# KiCad board panel.kicad_pcb
title: Com. module; date: 2023-12-25; rev: 1.0; company: Aightech
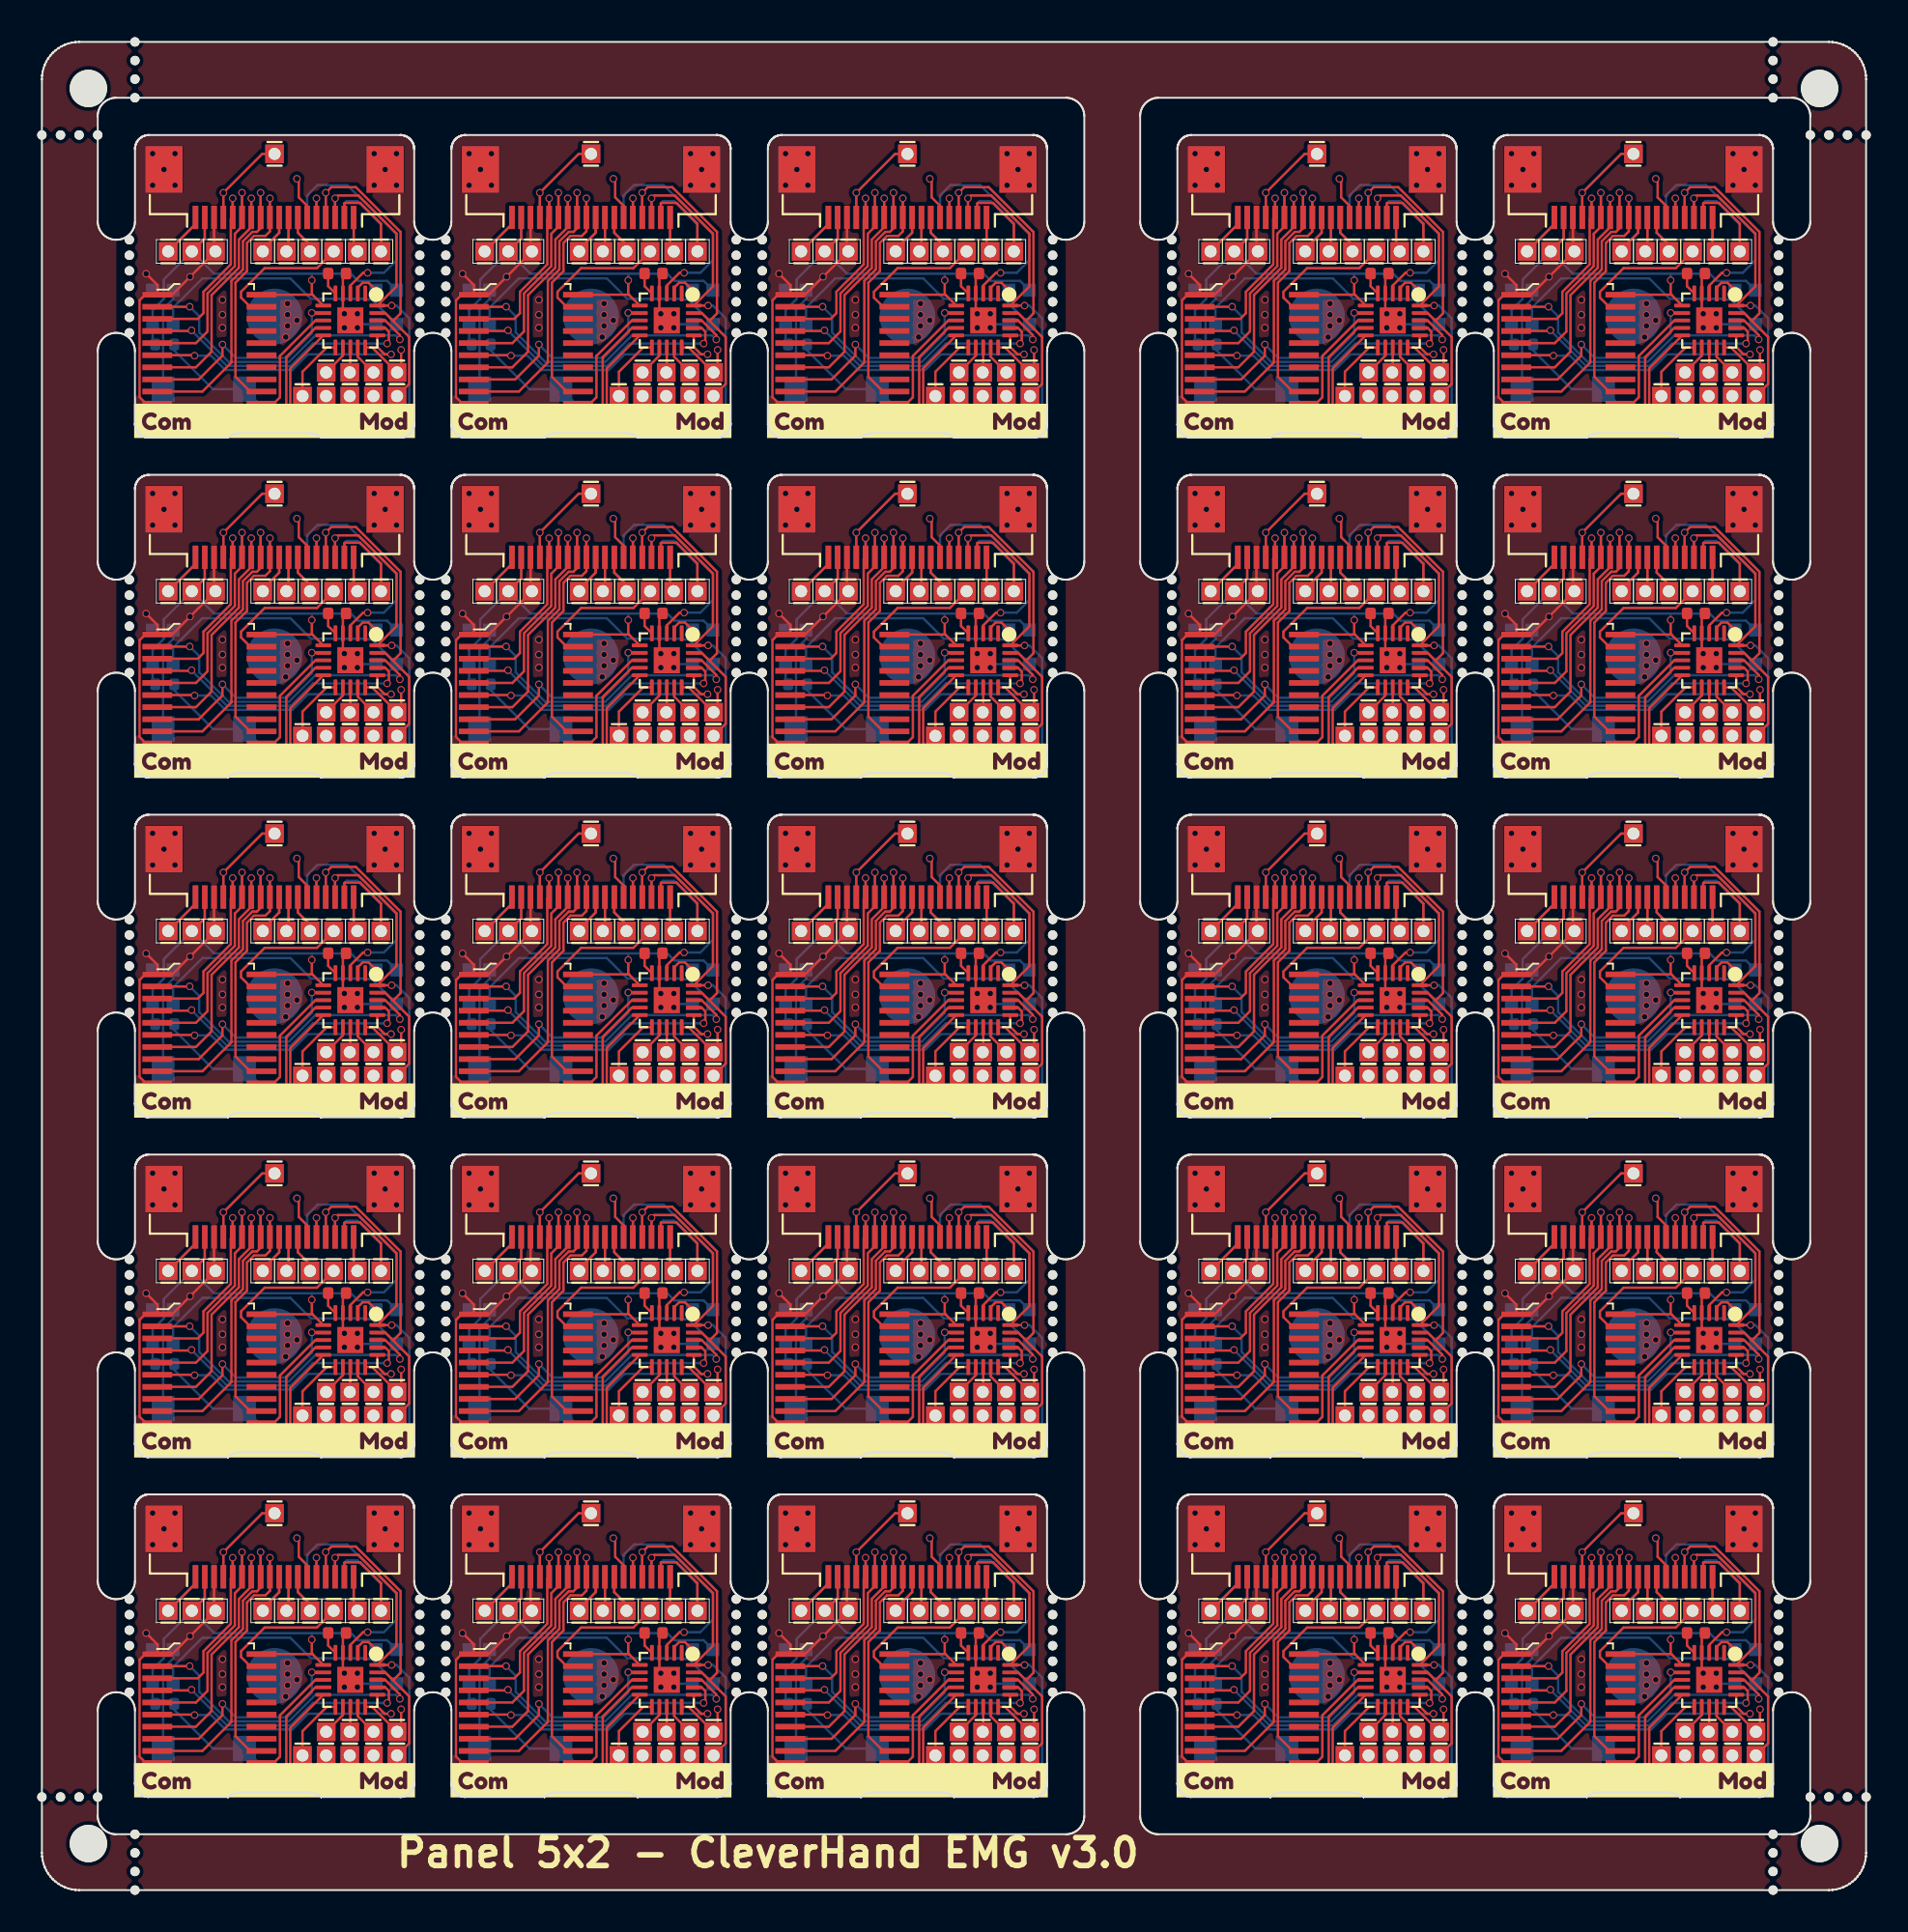
[diagram p0: board, top side]
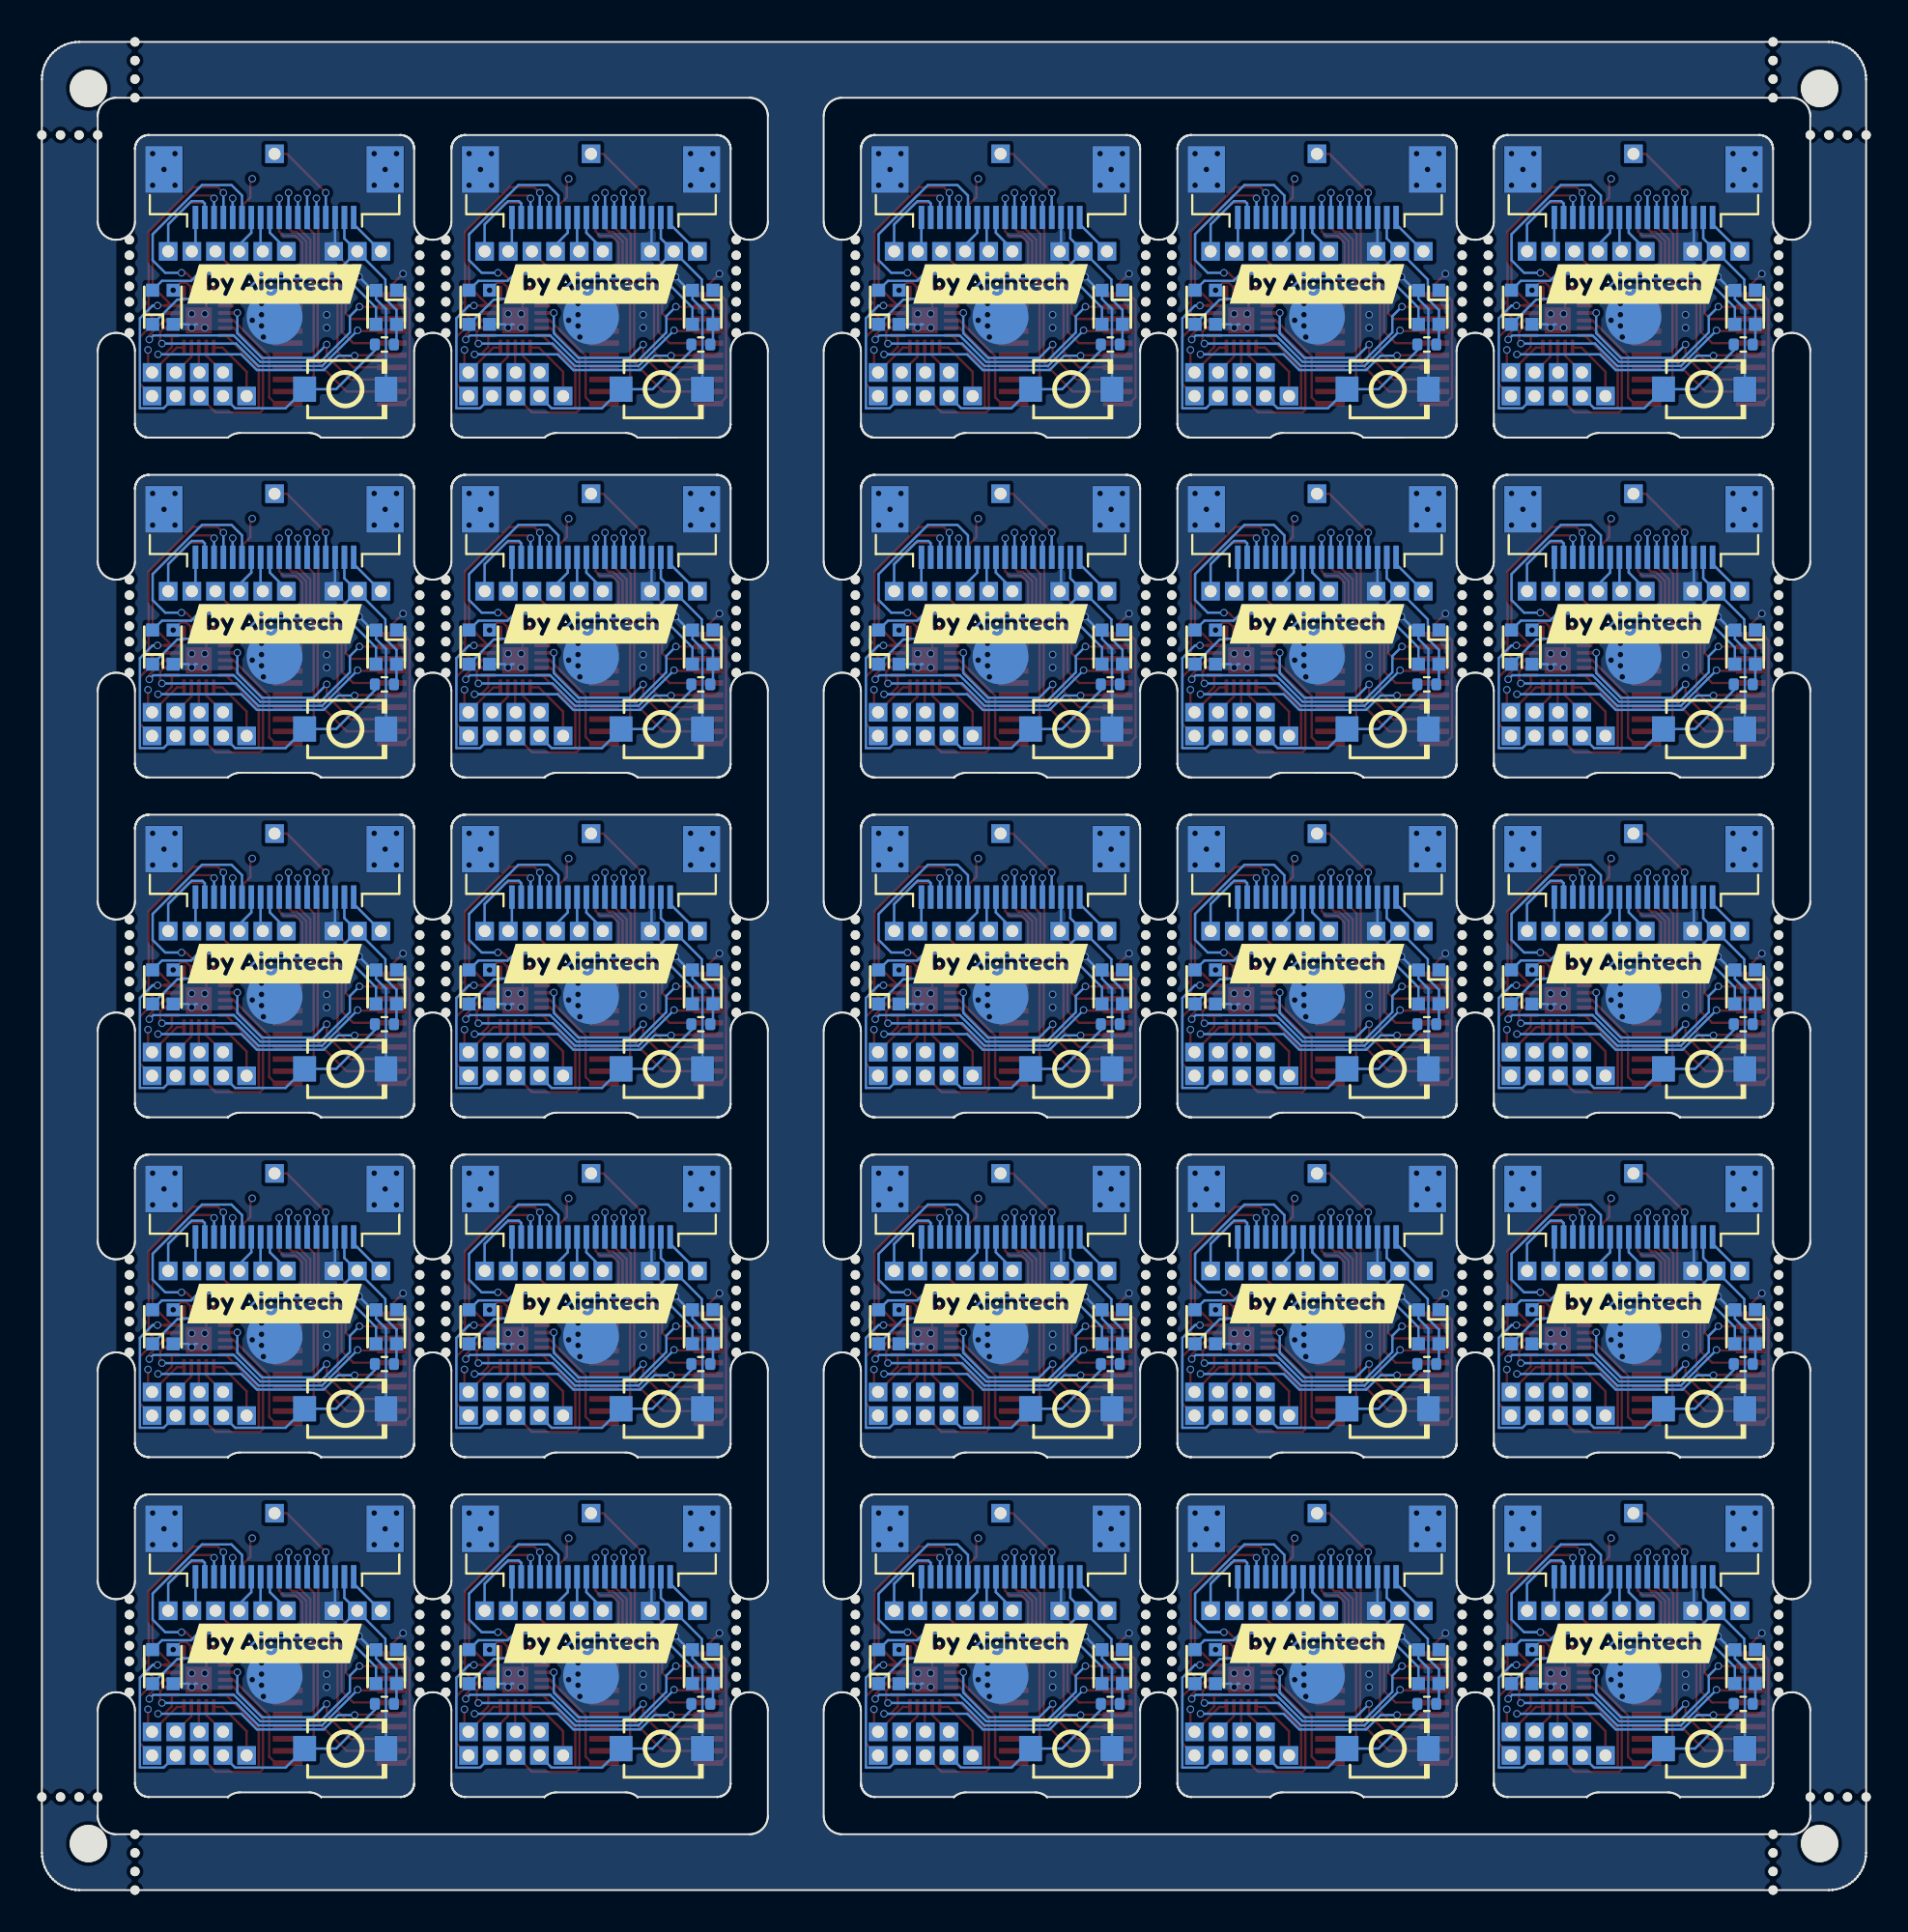
[diagram p1: board, bottom side, seen from below]

Outline 98 x 99.25 mm; copper layers: Front, In1.Cu, In2.Cu, Back. Coordinates in mm from the lower left corner of the outline.
Stack: Front 0.035mm / dielectric 0.1mm FR4 er 4.5 / In1.Cu 0.035mm / dielectric 0.44mm FR4 er 4.5 / In2.Cu 0.035mm / dielectric 0.1mm FR4 er 4.5 / Back 0.035mm

## Placement (name value [footprint] x y rotation side)
C1  4.7uF  [C_0402_1005Metric]  88.86 50.31 180 top
C1#2  4.7uF  [C_0402_1005Metric]  71.86 86.81 180 top
C1#3  4.7uF  [C_0402_1005Metric]  88.86 86.81 180 top
C1#4  4.7uF  [C_0402_1005Metric]  88.86 13.81 180 top
C1#5  4.7uF  [C_0402_1005Metric]  49.86 50.31 180 top
C1#6  4.7uF  [C_0402_1005Metric]  15.86 13.81 180 top
C1#7  4.7uF  [C_0402_1005Metric]  15.86 68.56 180 top
C1#8  4.7uF  [C_0402_1005Metric]  32.86 13.81 180 top
C1#9  4.7uF  [C_0402_1005Metric]  15.86 50.31 180 top
C1#10  4.7uF  [C_0402_1005Metric]  71.86 50.31 180 top
C1#11  4.7uF  [C_0402_1005Metric]  49.86 68.56 180 top
C1#12  4.7uF  [C_0402_1005Metric]  71.86 13.81 180 top
C1#13  4.7uF  [C_0402_1005Metric]  32.86 50.31 180 top
C1#14  4.7uF  [C_0402_1005Metric]  32.86 86.81 180 top
C1#15  4.7uF  [C_0402_1005Metric]  15.86 86.81 180 top
C1#16  4.7uF  [C_0402_1005Metric]  15.86 32.06 180 top
C1#17  4.7uF  [C_0402_1005Metric]  49.86 86.81 180 top
C1#18  4.7uF  [C_0402_1005Metric]  49.86 32.06 180 top
C1#19  4.7uF  [C_0402_1005Metric]  88.86 32.06 180 top
C1#20  4.7uF  [C_0402_1005Metric]  32.86 68.56 180 top
C1#21  4.7uF  [C_0402_1005Metric]  71.86 68.56 180 top
C1#22  4.7uF  [C_0402_1005Metric]  88.86 68.56 180 top
C1#23  4.7uF  [C_0402_1005Metric]  32.86 32.06 180 top
C1#24  4.7uF  [C_0402_1005Metric]  49.86 13.81 180 top
C1#25  4.7uF  [C_0402_1005Metric]  71.86 32.06 180 top
I1  smd_insert  [insert_1.2mm]  68.5 29.75 180 bottom
I1#2  smd_insert  [insert_1.2mm]  29.5 29.75 180 bottom
I1#3  smd_insert  [insert_1.2mm]  85.5 11.5 180 bottom
I1#4  smd_insert  [insert_1.2mm]  85.5 48 180 bottom
I1#5  smd_insert  [insert_1.2mm]  46.5 84.5 180 bottom
I1#6  smd_insert  [insert_1.2mm]  12.5 11.5 180 bottom
I1#7  smd_insert  [insert_1.2mm]  12.5 84.5 180 bottom
I1#8  smd_insert  [insert_1.2mm]  68.5 11.5 180 bottom
I1#9  smd_insert  [insert_1.2mm]  46.5 11.5 180 bottom
I1#10  smd_insert  [insert_1.2mm]  85.5 29.75 180 bottom
I1#11  smd_insert  [insert_1.2mm]  46.5 66.25 180 bottom
I1#12  smd_insert  [insert_1.2mm]  46.5 48 180 bottom
I1#13  smd_insert  [insert_1.2mm]  85.5 84.5 180 bottom
I1#14  smd_insert  [insert_1.2mm]  68.5 66.25 180 bottom
I1#15  smd_insert  [insert_1.2mm]  29.5 48 180 bottom
I1#16  smd_insert  [insert_1.2mm]  85.5 66.25 180 bottom
I1#17  smd_insert  [insert_1.2mm]  12.5 48 180 bottom
I1#18  smd_insert  [insert_1.2mm]  12.5 29.75 180 bottom
I1#19  smd_insert  [insert_1.2mm]  29.5 84.5 180 bottom
I1#20  smd_insert  [insert_1.2mm]  29.5 66.25 180 bottom
I1#21  smd_insert  [insert_1.2mm]  68.5 84.5 180 bottom
I1#22  smd_insert  [insert_1.2mm]  68.5 48 180 bottom
I1#23  smd_insert  [insert_1.2mm]  46.5 29.75 180 bottom
I1#24  smd_insert  [insert_1.2mm]  12.5 66.25 180 bottom
I1#25  smd_insert  [insert_1.2mm]  29.5 11.5 180 bottom
J1  Conn_01x01_Pin  [PinHeader_1x01_P1.27mm_Vertical]  42.05 33.25 0 top
J1#2  Conn_01x01_Pin  [PinHeader_1x01_P1.27mm_Vertical]  64.06 69.75 0 top
J1#3  Conn_01x01_Pin  [PinHeader_1x01_P1.27mm_Vertical]  64.06 15 0 top
J1#4  Conn_01x01_Pin  [PinHeader_1x01_P1.27mm_Vertical]  81.06 88 0 top
J1#5  Conn_01x01_Pin  [PinHeader_1x01_P1.27mm_Vertical]  42.05 15 0 top
J1#6  Conn_01x01_Pin  [PinHeader_1x01_P1.27mm_Vertical]  25.05 33.25 0 top
J1#7  Conn_01x01_Pin  [PinHeader_1x01_P1.27mm_Vertical]  8.05 15 0 top
J1#8  Conn_01x01_Pin  [PinHeader_1x01_P1.27mm_Vertical]  64.06 33.25 0 top
J1#9  Conn_01x01_Pin  [PinHeader_1x01_P1.27mm_Vertical]  8.05 69.75 0 top
J1#10  Conn_01x01_Pin  [PinHeader_1x01_P1.27mm_Vertical]  64.06 51.5 0 top
J1#11  Conn_01x01_Pin  [PinHeader_1x01_P1.27mm_Vertical]  81.06 69.75 0 top
J1#12  Conn_01x01_Pin  [PinHeader_1x01_P1.27mm_Vertical]  81.06 33.25 0 top
J1#13  Conn_01x01_Pin  [PinHeader_1x01_P1.27mm_Vertical]  8.05 88 0 top
J1#14  Conn_01x01_Pin  [PinHeader_1x01_P1.27mm_Vertical]  25.05 88 0 top
J1#15  Conn_01x01_Pin  [PinHeader_1x01_P1.27mm_Vertical]  81.06 15 0 top
J1#16  Conn_01x01_Pin  [PinHeader_1x01_P1.27mm_Vertical]  42.05 51.5 0 top
J1#17  Conn_01x01_Pin  [PinHeader_1x01_P1.27mm_Vertical]  8.05 33.25 0 top
J1#18  Conn_01x01_Pin  [PinHeader_1x01_P1.27mm_Vertical]  25.05 51.5 0 top
J1#19  Conn_01x01_Pin  [PinHeader_1x01_P1.27mm_Vertical]  25.05 69.75 0 top
J1#20  Conn_01x01_Pin  [PinHeader_1x01_P1.27mm_Vertical]  42.05 69.75 0 top
J1#21  Conn_01x01_Pin  [PinHeader_1x01_P1.27mm_Vertical]  25.05 15 0 top
J1#22  Conn_01x01_Pin  [PinHeader_1x01_P1.27mm_Vertical]  64.06 88 0 top
J1#23  Conn_01x01_Pin  [PinHeader_1x01_P1.27mm_Vertical]  42.05 88 0 top
J1#24  Conn_01x01_Pin  [PinHeader_1x01_P1.27mm_Vertical]  8.05 51.5 0 top
J1#25  Conn_01x01_Pin  [PinHeader_1x01_P1.27mm_Vertical]  81.06 51.5 0 top
J2  Conn_01x01_Pin  [PinHeader_1x01_P1.27mm_Vertical]  9.33 69.75 180 top
J2#2  Conn_01x01_Pin  [PinHeader_1x01_P1.27mm_Vertical]  9.33 15 180 top
J2#3  Conn_01x01_Pin  [PinHeader_1x01_P1.27mm_Vertical]  82.33 69.75 180 top
J2#4  Conn_01x01_Pin  [PinHeader_1x01_P1.27mm_Vertical]  43.33 15 180 top
J2#5  Conn_01x01_Pin  [PinHeader_1x01_P1.27mm_Vertical]  82.33 15 180 top
J2#6  Conn_01x01_Pin  [PinHeader_1x01_P1.27mm_Vertical]  9.33 51.5 180 top
J2#7  Conn_01x01_Pin  [PinHeader_1x01_P1.27mm_Vertical]  82.33 51.5 180 top
J2#8  Conn_01x01_Pin  [PinHeader_1x01_P1.27mm_Vertical]  9.33 33.25 180 top
J2#9  Conn_01x01_Pin  [PinHeader_1x01_P1.27mm_Vertical]  26.32 15 180 top
J2#10  Conn_01x01_Pin  [PinHeader_1x01_P1.27mm_Vertical]  65.33 33.25 180 top
J2#11  Conn_01x01_Pin  [PinHeader_1x01_P1.27mm_Vertical]  43.33 51.5 180 top
J2#12  Conn_01x01_Pin  [PinHeader_1x01_P1.27mm_Vertical]  26.32 69.75 180 top
J2#13  Conn_01x01_Pin  [PinHeader_1x01_P1.27mm_Vertical]  26.32 88 180 top
J2#14  Conn_01x01_Pin  [PinHeader_1x01_P1.27mm_Vertical]  65.33 69.75 180 top
J2#15  Conn_01x01_Pin  [PinHeader_1x01_P1.27mm_Vertical]  82.33 33.25 180 top
J2#16  Conn_01x01_Pin  [PinHeader_1x01_P1.27mm_Vertical]  65.33 88 180 top
J2#17  Conn_01x01_Pin  [PinHeader_1x01_P1.27mm_Vertical]  43.33 88 180 top
J2#18  Conn_01x01_Pin  [PinHeader_1x01_P1.27mm_Vertical]  65.33 15 180 top
J2#19  Conn_01x01_Pin  [PinHeader_1x01_P1.27mm_Vertical]  43.33 33.25 180 top
J2#20  Conn_01x01_Pin  [PinHeader_1x01_P1.27mm_Vertical]  43.33 69.75 180 top
J2#21  Conn_01x01_Pin  [PinHeader_1x01_P1.27mm_Vertical]  26.32 33.25 180 top
J2#22  Conn_01x01_Pin  [PinHeader_1x01_P1.27mm_Vertical]  26.32 51.5 180 top
J2#23  Conn_01x01_Pin  [PinHeader_1x01_P1.27mm_Vertical]  9.33 88 180 top
J2#24  Conn_01x01_Pin  [PinHeader_1x01_P1.27mm_Vertical]  65.33 51.5 180 top
J2#25  Conn_01x01_Pin  [PinHeader_1x01_P1.27mm_Vertical]  82.33 88 180 top
J3  Conn_01x01_Pin  [PinHeader_1x01_P1.27mm_Vertical]  46.5 20.24 0 top
J3#2  Conn_01x01_Pin  [PinHeader_1x01_P1.27mm_Vertical]  85.5 74.99 0 top
J3#3  Conn_01x01_Pin  [PinHeader_1x01_P1.27mm_Vertical]  12.5 20.24 0 top
J3#4  Conn_01x01_Pin  [PinHeader_1x01_P1.27mm_Vertical]  85.5 38.49 0 top
J3#5  Conn_01x01_Pin  [PinHeader_1x01_P1.27mm_Vertical]  29.5 93.24 0 top
J3#6  Conn_01x01_Pin  [PinHeader_1x01_P1.27mm_Vertical]  85.5 20.24 0 top
J3#7  Conn_01x01_Pin  [PinHeader_1x01_P1.27mm_Vertical]  29.5 38.49 0 top
J3#8  Conn_01x01_Pin  [PinHeader_1x01_P1.27mm_Vertical]  12.5 93.24 0 top
J3#9  Conn_01x01_Pin  [PinHeader_1x01_P1.27mm_Vertical]  12.5 56.74 0 top
J3#10  Conn_01x01_Pin  [PinHeader_1x01_P1.27mm_Vertical]  85.5 56.74 0 top
J3#11  Conn_01x01_Pin  [PinHeader_1x01_P1.27mm_Vertical]  68.5 56.74 0 top
J3#12  Conn_01x01_Pin  [PinHeader_1x01_P1.27mm_Vertical]  12.5 38.49 0 top
J3#13  Conn_01x01_Pin  [PinHeader_1x01_P1.27mm_Vertical]  29.5 74.99 0 top
J3#14  Conn_01x01_Pin  [PinHeader_1x01_P1.27mm_Vertical]  46.5 74.99 0 top
J3#15  Conn_01x01_Pin  [PinHeader_1x01_P1.27mm_Vertical]  46.5 56.74 0 top
J3#16  Conn_01x01_Pin  [PinHeader_1x01_P1.27mm_Vertical]  12.5 74.99 0 top
J3#17  Conn_01x01_Pin  [PinHeader_1x01_P1.27mm_Vertical]  68.5 20.24 0 top
J3#18  Conn_01x01_Pin  [PinHeader_1x01_P1.27mm_Vertical]  29.5 56.74 0 top
J3#19  Conn_01x01_Pin  [PinHeader_1x01_P1.27mm_Vertical]  46.5 38.49 0 top
J3#20  Conn_01x01_Pin  [PinHeader_1x01_P1.27mm_Vertical]  68.5 74.99 0 top
J3#21  Conn_01x01_Pin  [PinHeader_1x01_P1.27mm_Vertical]  68.5 38.49 0 top
J3#22  Conn_01x01_Pin  [PinHeader_1x01_P1.27mm_Vertical]  68.5 93.24 0 top
J3#23  Conn_01x01_Pin  [PinHeader_1x01_P1.27mm_Vertical]  85.5 93.24 0 top
J3#24  Conn_01x01_Pin  [PinHeader_1x01_P1.27mm_Vertical]  46.5 93.24 0 top
J3#25  Conn_01x01_Pin  [PinHeader_1x01_P1.27mm_Vertical]  29.5 20.24 0 top
J4  XF2J-1824-12A  [XUNPU_FPC_05F_18P_H20]  46.5 35.25 0 bottom
J4#2  XF2J-1824-12A  [XUNPU_FPC_05F_18P_H20]  12.5 71.75 0 bottom
J4#3  XF2J-1824-12A  [XUNPU_FPC_05F_18P_H20]  46.5 17 0 bottom
J4#4  XF2J-1824-12A  [XUNPU_FPC_05F_18P_H20]  68.5 35.25 0 bottom
J4#5  XF2J-1824-12A  [XUNPU_FPC_05F_18P_H20]  85.5 90 0 bottom
J4#6  XF2J-1824-12A  [XUNPU_FPC_05F_18P_H20]  29.5 71.75 0 bottom
J4#7  XF2J-1824-12A  [XUNPU_FPC_05F_18P_H20]  46.5 53.5 0 bottom
J4#8  XF2J-1824-12A  [XUNPU_FPC_05F_18P_H20]  12.5 90 0 bottom
J4#9  XF2J-1824-12A  [XUNPU_FPC_05F_18P_H20]  29.5 53.5 0 bottom
J4#10  XF2J-1824-12A  [XUNPU_FPC_05F_18P_H20]  85.5 35.25 0 bottom
J4#11  XF2J-1824-12A  [XUNPU_FPC_05F_18P_H20]  29.5 90 0 bottom
J4#12  XF2J-1824-12A  [XUNPU_FPC_05F_18P_H20]  68.5 17 0 bottom
J4#13  XF2J-1824-12A  [XUNPU_FPC_05F_18P_H20]  68.5 53.5 0 bottom
J4#14  XF2J-1824-12A  [XUNPU_FPC_05F_18P_H20]  85.5 17 0 bottom
J4#15  XF2J-1824-12A  [XUNPU_FPC_05F_18P_H20]  46.5 71.75 0 bottom
J4#16  XF2J-1824-12A  [XUNPU_FPC_05F_18P_H20]  68.5 71.75 0 bottom
J4#17  XF2J-1824-12A  [XUNPU_FPC_05F_18P_H20]  29.5 17 0 bottom
J4#18  XF2J-1824-12A  [XUNPU_FPC_05F_18P_H20]  12.5 17 0 bottom
J4#19  XF2J-1824-12A  [XUNPU_FPC_05F_18P_H20]  85.5 71.75 0 bottom
J4#20  XF2J-1824-12A  [XUNPU_FPC_05F_18P_H20]  12.5 53.5 0 bottom
J4#21  XF2J-1824-12A  [XUNPU_FPC_05F_18P_H20]  12.5 35.25 0 bottom
J4#22  XF2J-1824-12A  [XUNPU_FPC_05F_18P_H20]  68.5 90 0 bottom
J4#23  XF2J-1824-12A  [XUNPU_FPC_05F_18P_H20]  46.5 90 0 bottom
J4#24  XF2J-1824-12A  [XUNPU_FPC_05F_18P_H20]  85.5 53.5 0 bottom
J4#25  XF2J-1824-12A  [XUNPU_FPC_05F_18P_H20]  29.5 35.25 0 bottom
J5  Conn_01x01_Pin  [PinHeader_1x01_P1.27mm_Vertical]  45.87 51.5 0 top
J5#2  Conn_01x01_Pin  [PinHeader_1x01_P1.27mm_Vertical]  45.87 69.75 0 top
J5#3  Conn_01x01_Pin  [PinHeader_1x01_P1.27mm_Vertical]  28.86 33.25 0 top
J5#4  Conn_01x01_Pin  [PinHeader_1x01_P1.27mm_Vertical]  28.86 88 0 top
J5#5  Conn_01x01_Pin  [PinHeader_1x01_P1.27mm_Vertical]  67.86 69.75 0 top
J5#6  Conn_01x01_Pin  [PinHeader_1x01_P1.27mm_Vertical]  45.87 88 0 top
J5#7  Conn_01x01_Pin  [PinHeader_1x01_P1.27mm_Vertical]  84.87 51.5 0 top
J5#8  Conn_01x01_Pin  [PinHeader_1x01_P1.27mm_Vertical]  84.87 88 0 top
J5#9  Conn_01x01_Pin  [PinHeader_1x01_P1.27mm_Vertical]  45.87 15 0 top
J5#10  Conn_01x01_Pin  [PinHeader_1x01_P1.27mm_Vertical]  11.87 69.75 0 top
J5#11  Conn_01x01_Pin  [PinHeader_1x01_P1.27mm_Vertical]  28.86 51.5 0 top
J5#12  Conn_01x01_Pin  [PinHeader_1x01_P1.27mm_Vertical]  28.86 15 0 top
J5#13  Conn_01x01_Pin  [PinHeader_1x01_P1.27mm_Vertical]  67.86 15 0 top
J5#14  Conn_01x01_Pin  [PinHeader_1x01_P1.27mm_Vertical]  11.87 33.25 0 top
J5#15  Conn_01x01_Pin  [PinHeader_1x01_P1.27mm_Vertical]  67.86 51.5 0 top
J5#16  Conn_01x01_Pin  [PinHeader_1x01_P1.27mm_Vertical]  11.87 51.5 0 top
J5#17  Conn_01x01_Pin  [PinHeader_1x01_P1.27mm_Vertical]  84.87 15 0 top
J5#18  Conn_01x01_Pin  [PinHeader_1x01_P1.27mm_Vertical]  84.87 69.75 0 top
J5#19  Conn_01x01_Pin  [PinHeader_1x01_P1.27mm_Vertical]  67.86 33.25 0 top
J5#20  Conn_01x01_Pin  [PinHeader_1x01_P1.27mm_Vertical]  45.87 33.25 0 top
J5#21  Conn_01x01_Pin  [PinHeader_1x01_P1.27mm_Vertical]  67.86 88 0 top
J5#22  Conn_01x01_Pin  [PinHeader_1x01_P1.27mm_Vertical]  28.86 69.75 0 top
J5#23  Conn_01x01_Pin  [PinHeader_1x01_P1.27mm_Vertical]  11.87 15 0 top
J5#24  Conn_01x01_Pin  [PinHeader_1x01_P1.27mm_Vertical]  11.87 88 0 top
J5#25  Conn_01x01_Pin  [PinHeader_1x01_P1.27mm_Vertical]  84.87 33.25 0 top
J6  Conn_01x01_Pin  [PinHeader_1x01_P1.27mm_Vertical]  30.14 51.5 0 top
J6#2  Conn_01x01_Pin  [PinHeader_1x01_P1.27mm_Vertical]  69.14 51.5 0 top
J6#3  Conn_01x01_Pin  [PinHeader_1x01_P1.27mm_Vertical]  69.14 88 0 top
J6#4  Conn_01x01_Pin  [PinHeader_1x01_P1.27mm_Vertical]  47.13 15 0 top
J6#5  Conn_01x01_Pin  [PinHeader_1x01_P1.27mm_Vertical]  86.13 15 0 top
J6#6  Conn_01x01_Pin  [PinHeader_1x01_P1.27mm_Vertical]  69.14 15 0 top
J6#7  Conn_01x01_Pin  [PinHeader_1x01_P1.27mm_Vertical]  13.13 33.25 0 top
J6#8  Conn_01x01_Pin  [PinHeader_1x01_P1.27mm_Vertical]  13.13 15 0 top
J6#9  Conn_01x01_Pin  [PinHeader_1x01_P1.27mm_Vertical]  86.13 88 0 top
J6#10  Conn_01x01_Pin  [PinHeader_1x01_P1.27mm_Vertical]  86.13 51.5 0 top
J6#11  Conn_01x01_Pin  [PinHeader_1x01_P1.27mm_Vertical]  47.13 51.5 0 top
J6#12  Conn_01x01_Pin  [PinHeader_1x01_P1.27mm_Vertical]  47.13 33.25 0 top
J6#13  Conn_01x01_Pin  [PinHeader_1x01_P1.27mm_Vertical]  86.13 33.25 0 top
J6#14  Conn_01x01_Pin  [PinHeader_1x01_P1.27mm_Vertical]  30.14 15 0 top
J6#15  Conn_01x01_Pin  [PinHeader_1x01_P1.27mm_Vertical]  86.13 69.75 0 top
J6#16  Conn_01x01_Pin  [PinHeader_1x01_P1.27mm_Vertical]  47.13 69.75 0 top
J6#17  Conn_01x01_Pin  [PinHeader_1x01_P1.27mm_Vertical]  69.14 33.25 0 top
J6#18  Conn_01x01_Pin  [PinHeader_1x01_P1.27mm_Vertical]  13.13 69.75 0 top
J6#19  Conn_01x01_Pin  [PinHeader_1x01_P1.27mm_Vertical]  47.13 88 0 top
J6#20  Conn_01x01_Pin  [PinHeader_1x01_P1.27mm_Vertical]  69.14 69.75 0 top
J6#21  Conn_01x01_Pin  [PinHeader_1x01_P1.27mm_Vertical]  13.13 88 0 top
J6#22  Conn_01x01_Pin  [PinHeader_1x01_P1.27mm_Vertical]  30.14 33.25 0 top
J6#23  Conn_01x01_Pin  [PinHeader_1x01_P1.27mm_Vertical]  30.14 88 0 top
J6#24  Conn_01x01_Pin  [PinHeader_1x01_P1.27mm_Vertical]  13.13 51.5 0 top
J6#25  Conn_01x01_Pin  [PinHeader_1x01_P1.27mm_Vertical]  30.14 69.75 0 top
J7  Conn_01x01_Pin  [PinHeader_1x01_P1.27mm_Vertical]  87.41 33.25 0 top
J7#2  Conn_01x01_Pin  [PinHeader_1x01_P1.27mm_Vertical]  70.41 15 0 top
J7#3  Conn_01x01_Pin  [PinHeader_1x01_P1.27mm_Vertical]  14.41 88 0 top
J7#4  Conn_01x01_Pin  [PinHeader_1x01_P1.27mm_Vertical]  48.41 69.75 0 top
J7#5  Conn_01x01_Pin  [PinHeader_1x01_P1.27mm_Vertical]  48.41 88 0 top
J7#6  Conn_01x01_Pin  [PinHeader_1x01_P1.27mm_Vertical]  70.41 69.75 0 top
J7#7  Conn_01x01_Pin  [PinHeader_1x01_P1.27mm_Vertical]  87.41 15 0 top
J7#8  Conn_01x01_Pin  [PinHeader_1x01_P1.27mm_Vertical]  48.41 15 0 top
J7#9  Conn_01x01_Pin  [PinHeader_1x01_P1.27mm_Vertical]  87.41 88 0 top
J7#10  Conn_01x01_Pin  [PinHeader_1x01_P1.27mm_Vertical]  87.41 51.5 0 top
J7#11  Conn_01x01_Pin  [PinHeader_1x01_P1.27mm_Vertical]  48.41 33.25 0 top
J7#12  Conn_01x01_Pin  [PinHeader_1x01_P1.27mm_Vertical]  31.41 88 0 top
J7#13  Conn_01x01_Pin  [PinHeader_1x01_P1.27mm_Vertical]  48.41 51.5 0 top
J7#14  Conn_01x01_Pin  [PinHeader_1x01_P1.27mm_Vertical]  70.41 33.25 0 top
J7#15  Conn_01x01_Pin  [PinHeader_1x01_P1.27mm_Vertical]  87.41 69.75 0 top
J7#16  Conn_01x01_Pin  [PinHeader_1x01_P1.27mm_Vertical]  14.41 33.25 0 top
J7#17  Conn_01x01_Pin  [PinHeader_1x01_P1.27mm_Vertical]  14.41 51.5 0 top
J7#18  Conn_01x01_Pin  [PinHeader_1x01_P1.27mm_Vertical]  70.41 51.5 0 top
J7#19  Conn_01x01_Pin  [PinHeader_1x01_P1.27mm_Vertical]  31.41 51.5 0 top
J7#20  Conn_01x01_Pin  [PinHeader_1x01_P1.27mm_Vertical]  14.41 15 0 top
J7#21  Conn_01x01_Pin  [PinHeader_1x01_P1.27mm_Vertical]  70.41 88 0 top
J7#22  Conn_01x01_Pin  [PinHeader_1x01_P1.27mm_Vertical]  31.41 33.25 0 top
J7#23  Conn_01x01_Pin  [PinHeader_1x01_P1.27mm_Vertical]  31.41 15 0 top
J7#24  Conn_01x01_Pin  [PinHeader_1x01_P1.27mm_Vertical]  14.41 69.75 0 top
J7#25  Conn_01x01_Pin  [PinHeader_1x01_P1.27mm_Vertical]  31.41 69.75 0 top
J8  Conn_01x01_Pin  [PinHeader_1x01_P1.27mm_Vertical]  32.67 51.5 0 top
J8#2  Conn_01x01_Pin  [PinHeader_1x01_P1.27mm_Vertical]  49.67 88 0 top
J8#3  Conn_01x01_Pin  [PinHeader_1x01_P1.27mm_Vertical]  88.67 69.75 0 top
J8#4  Conn_01x01_Pin  [PinHeader_1x01_P1.27mm_Vertical]  32.67 33.25 0 top
J8#5  Conn_01x01_Pin  [PinHeader_1x01_P1.27mm_Vertical]  71.67 15 0 top
J8#6  Conn_01x01_Pin  [PinHeader_1x01_P1.27mm_Vertical]  88.67 88 0 top
J8#7  Conn_01x01_Pin  [PinHeader_1x01_P1.27mm_Vertical]  15.67 69.75 0 top
J8#8  Conn_01x01_Pin  [PinHeader_1x01_P1.27mm_Vertical]  32.67 69.75 0 top
J8#9  Conn_01x01_Pin  [PinHeader_1x01_P1.27mm_Vertical]  71.67 69.75 0 top
J8#10  Conn_01x01_Pin  [PinHeader_1x01_P1.27mm_Vertical]  32.67 15 0 top
J8#11  Conn_01x01_Pin  [PinHeader_1x01_P1.27mm_Vertical]  88.67 51.5 0 top
J8#12  Conn_01x01_Pin  [PinHeader_1x01_P1.27mm_Vertical]  71.67 33.25 0 top
J8#13  Conn_01x01_Pin  [PinHeader_1x01_P1.27mm_Vertical]  49.67 51.5 0 top
J8#14  Conn_01x01_Pin  [PinHeader_1x01_P1.27mm_Vertical]  49.67 33.25 0 top
J8#15  Conn_01x01_Pin  [PinHeader_1x01_P1.27mm_Vertical]  49.67 69.75 0 top
J8#16  Conn_01x01_Pin  [PinHeader_1x01_P1.27mm_Vertical]  88.67 15 0 top
J8#17  Conn_01x01_Pin  [PinHeader_1x01_P1.27mm_Vertical]  15.67 51.5 0 top
J8#18  Conn_01x01_Pin  [PinHeader_1x01_P1.27mm_Vertical]  15.67 88 0 top
J8#19  Conn_01x01_Pin  [PinHeader_1x01_P1.27mm_Vertical]  15.67 15 0 top
J8#20  Conn_01x01_Pin  [PinHeader_1x01_P1.27mm_Vertical]  71.67 88 0 top
J8#21  Conn_01x01_Pin  [PinHeader_1x01_P1.27mm_Vertical]  15.67 33.25 0 top
J8#22  Conn_01x01_Pin  [PinHeader_1x01_P1.27mm_Vertical]  32.67 88 0 top
J8#23  Conn_01x01_Pin  [PinHeader_1x01_P1.27mm_Vertical]  49.67 15 0 top
J8#24  Conn_01x01_Pin  [PinHeader_1x01_P1.27mm_Vertical]  71.67 51.5 0 top
J8#25  Conn_01x01_Pin  [PinHeader_1x01_P1.27mm_Vertical]  88.67 33.25 0 top
J9  Conn_01x01_Pin  [PinHeader_1x01_P1.27mm_Vertical]  72.94 69.75 0 top
J9#2  Conn_01x01_Pin  [PinHeader_1x01_P1.27mm_Vertical]  33.95 33.25 0 top
J9#3  Conn_01x01_Pin  [PinHeader_1x01_P1.27mm_Vertical]  50.95 69.75 0 top
J9#4  Conn_01x01_Pin  [PinHeader_1x01_P1.27mm_Vertical]  16.95 51.5 0 top
J9#5  Conn_01x01_Pin  [PinHeader_1x01_P1.27mm_Vertical]  50.95 88 0 top